# Altium PCB GL3520 4 Ports.PcbDoc
Units mm, origin at the board's own origin, x right, y up, seen from the top; angles counter-clockwise.
Board outline 152.4 x 101.6 mm, 2 copper layers (Top Layer, Bottom Layer), stack 1.569 mm thick; 127 components, 95 nets, 480 pads, 25 vias.
Unrouted connection lines stored in the file: 359.
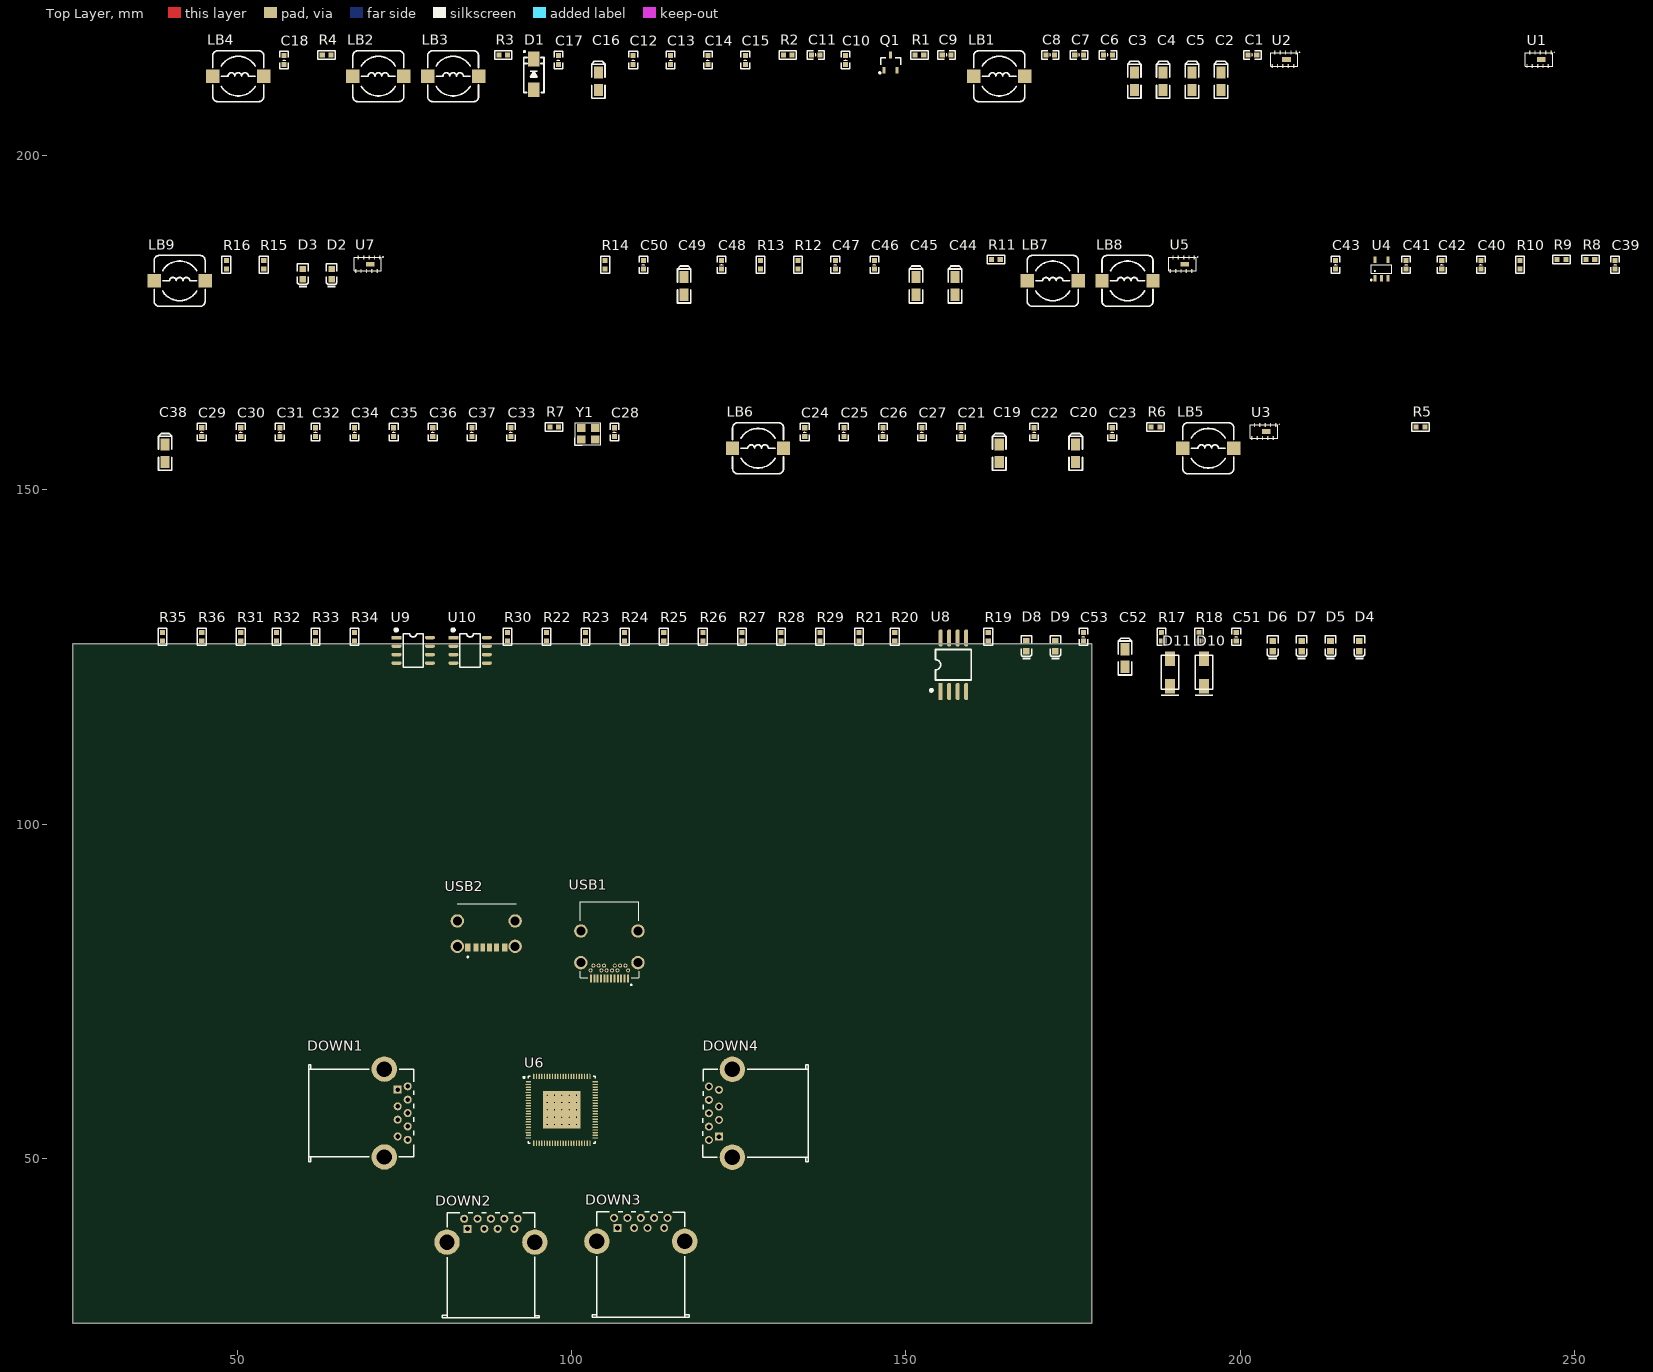
[diagram p0: Top Layer view]
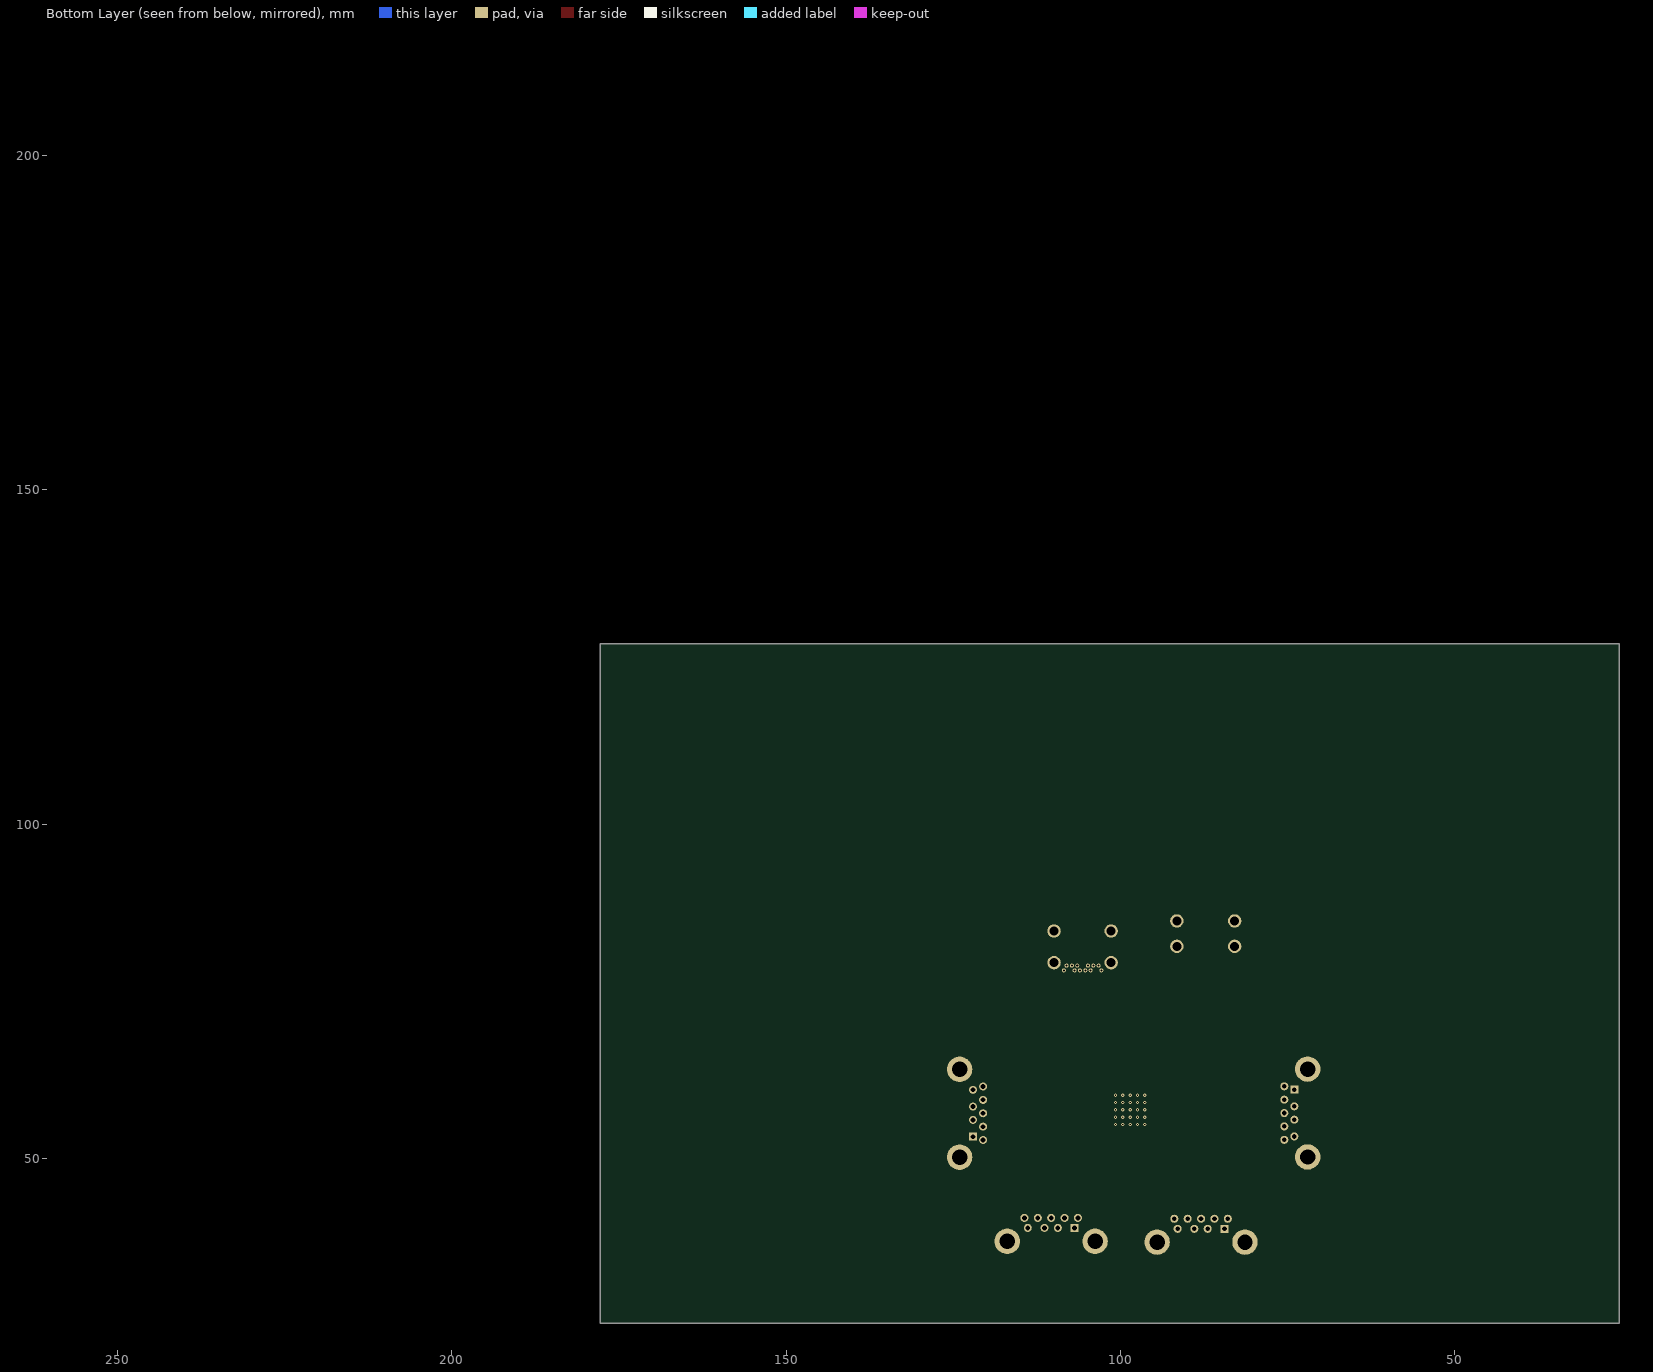
[diagram p1: Bottom Layer view, seen from below]

## Layer stack, top to bottom
Top Solder: solder mask 0.0254, SM-001, Dk 4
Top Layer: signal copper 0.035
Dielectric 1: core 1.4986, Core-043, Dk 4.3
Bottom Layer: signal copper 0.035
Bottom Solder: solder mask 0.0254, SM-001, Dk 4

## Board outline
25.4,25.4 177.8,25.4 177.8,127 25.4,127

## Design rules (kind name [scope] priority, off if disabled: settings)
Clearance [All] p1: gap=0.152 ignorepadtopadclearanceinfootprint=FALSE
PolygonConnect [All] p1: connectstyle=Relief reliefconductorwidth=0.254 reliefentries=4 polygonreliefangle="90 Angle" airgapwidth=0.254
RoutingVias [All] p1: holewidth=0.711 width=1.27 viastyle="Through Hole" minholewidth=0.711 minwidth=1.27 maxholewidth=0.711 maxwidth=1.27
SolderMaskExpansion [All] p1: expansion=0.102 istentingtop=FALSE
Width [All] p1: maxlimit=0.254 minlimit=0.254 preferedwidth=0.254
30 further rules are at their usual default settings.

## Components (designator, comment, footprint, x,y, rotation, side; value= is the part's Value field where it differs from the comment)
C1 "0.1uF" "C 0603_L" 201.803,215.011 r0 top
C2 "10uF" CASE-A_3216 197.104,211.074 r90 top
C3 "10uF" CASE-A_3216 184.15,211.074 r90 top
C4 "10uF" CASE-A_3216 188.468,211.074 r90 top
C5 "10uF" CASE-A_3216 192.786,211.074 r90 top
C6 "0.1uF" "C 0603_L" 180.213,215.011 r0 top
C7 "0.1uF" "C 0603_L" 175.895,215.011 r0 top
C8 "0.1uF" "C 0603_L" 171.577,215.011 r0 top
C9 "0.1uF" "C 0603_L" 156.083,215.011 r0 top
C10 "0.1uF" "C 0603_L" 140.97,214.249 r90 top
C11 "0.1uF" "C 0603_L" 136.525,215.011 r0 top
C12 "0.1uF" "C 0603_L" 109.22,214.249 r90 top
C13 "0.1uF" "C 0603_L" 114.808,214.249 r90 top
C14 "0.1uF" "C 0603_L" 120.396,214.249 r90 top
C15 "0.1uF" "C 0603_L" 125.984,214.249 r90 top
C16 "10uF" CASE-A_3216 104.013,211.074 r90 top
C17 "0.1uF" "C 0603_L" 98.044,214.249 r90 top
C18 "0.1uF" "C 0603_L" 57.023,214.249 r90 top
C19 "10uF" CASE-A_3216 163.957,155.448 r90 top
C20 "10uF" CASE-A_3216 175.387,155.448 r90 top
C21 "0.1uF" "C 0603_L" 158.242,158.623 r90 top
C22 "0.1uF" "C 0603_L" 169.164,158.623 r90 top
C23 "0.1uF" "C 0603_L" 180.848,158.623 r90 top
C24 "0.1uF" "C 0603_L" 134.874,158.623 r90 top
C25 "0.1uF" "C 0603_L" 140.716,158.623 r90 top
C26 "0.1uF" "C 0603_L" 146.558,158.623 r90 top
C27 "0.1uF" "C 0603_L" 152.4,158.623 r90 top
C28 "0.1uF" "C 0603_L" 106.426,158.623 r90 top
C29 "0.1uF" "C 0603_L" 44.704,158.623 r90 top
C30 "0.1uF" "C 0603_L" 50.546,158.623 r90 top
C31 "0.1uF" "C 0603_L" 56.388,158.623 r90 top
C32 "0.1uF" "C 0603_L" 61.722,158.623 r90 top
C33 "0.1uF" "C 0603_L" 90.932,158.623 r90 top
C34 "0.1uF" "C 0603_L" 67.564,158.623 r90 top
C35 "0.1uF" "C 0603_L" 73.406,158.623 r90 top
C36 "0.1uF" "C 0603_L" 79.248,158.623 r90 top
C37 "0.1uF" "C 0603_L" 85.09,158.623 r90 top
C38 "10uF" CASE-A_3216 39.243,155.448 r90 top
C39 "0.1uF" "C 0603_L" 256.032,183.642 r90 top
C40 "1uF" "C 0603_L" 235.966,183.642 r90 top
C41 "12pF" "C 0603_L" 224.79,183.642 r90 top
C42 "12pF" "C 0603_L" 230.124,183.642 r90 top
C43 "0.1uF" "C 0603_L" 214.249,183.642 r90 top
C44 "10uF" CASE-A_3216 157.353,180.467 r90 top
C45 "10uF" CASE-A_3216 151.511,180.467 r90 top
C46 "20pF" "C 0603_L" 145.288,183.642 r90 top
C47 "0.1uF" "C 0603_L" 139.446,183.642 r90 top
C48 "0.1uF" "C 0603_L" 122.428,183.642 r90 top
C49 "10uF" CASE-A_3216 116.84,180.467 r90 top
C50 "0.1uF" "C 0603_L" 110.744,183.642 r90 top
C51 "0.1uF" "C 0603_L" 199.39,128.016 r90 top
C52 "10uF" CASE-A_3216 182.753,124.841 r90 top
C53 "0.1uF" "C 0603_L" 176.53,128.016 r90 top
D1 "1N5822" SMA 94.361,212.09 r90 top
D2 "蓝灯 0603" 0603_LED_S1 64.135,182.245 r90 top
D3 "蓝灯 0603" 0603_LED_S1 59.817,182.245 r90 top
D4 "黄灯 0603" 0603_LED_S1 217.805,126.619 r90 top
D5 "黄灯 0603" 0603_LED_S1 213.487,126.619 r90 top
D6 "蓝灯 0603" 0603_LED_S1 204.851,126.619 r90 top
D7 "蓝灯 0603" 0603_LED_S1 209.169,126.619 r90 top
D8 "黄灯 0603" 0603_LED_S1 168.021,126.619 r90 top
D9 "黄灯 0603" 0603_LED_S1 172.339,126.619 r90 top
D10 "SMAJ18A" DIO-214AC 194.564,122.682 r90 top
D11 "SMAJ18A" DIO-214AC 189.484,122.682 r90 top
DOWN1 "USB3-A Device" "USB3.0-2 - duplicate" 73.759,56.803 r270 top
DOWN2 "USB3-A Device" "USB3.0-2 - duplicate" 87.955,39.247 r0 top
DOWN3 "USB3-A Device" "USB3.0-2 - duplicate" 110.363,39.37 r0 top
DOWN4 "USB3-A Device" "USB3.0-2 - duplicate" 122.301,56.769 r90 top
LB1 "10uH" CDRH74 163.957,211.836 r0 top
LB2 "10uH" CDRH74 71.12,211.836 r0 top
LB3 "10uH" CDRH74 82.296,211.836 r0 top
LB4 "10uH" CDRH74 50.165,211.836 r0 top
LB5 "10uH" CDRH74 195.199,156.21 r0 top
LB6 "10uH" CDRH74 127.889,156.21 r0 top
LB7 "10uH" CDRH74 171.958,181.229 r0 top
LB8 "10uH" CDRH74 183.134,181.229 r0 top
LB9 "10uH" CDRH74 41.402,181.229 r0 top
Q1 "AO3401A" SOT23-3L 147.701,213.868 r0 top
R1 "10K" "R 0603_L" 152.019,215.011 r0 top
R2 "10K" "R 0603_L" 132.334,215.011 r0 top
R3 "10K" "R 0603_L" 89.789,215.011 r0 top
R4 "1M" "R 0603_L" 63.373,215.011 r0 top
R5 "10K" "R 0603_L" 226.949,159.385 r0 top
R6 "1M" "R 0603_L" 187.325,159.385 r0 top
R7 "10K" "R 0603_L" 97.409,159.385 r0 top
R8 "1M" "R 0603_L" 252.349,184.404 r0 top
R9 "1M" "R 0603_L" 248.031,184.404 r0 top
R10 "47K" "R 0603_L" 241.808,183.642 r90 top
R11 "100K" "R 0603_L" 163.449,184.404 r0 top
R12 "1M" "R 0603_L" 133.858,183.642 r90 top
R13 "100K" "R 0603_L" 128.27,183.642 r90 top
R14 "1M" "R 0603_L" 105.029,183.642 r90 top
R15 "2K" "R 0603_L" 53.975,183.642 r90 top
R16 "2K" "R 0603_L" 48.387,183.642 r90 top
R17 "2K" "R 0603_L" 188.214,128.016 r90 top
R18 "2K" "R 0603_L" 193.802,128.016 r90 top
R19 "1M" "R 0603_L" 162.306,128.016 r90 top
R20 "10K" "R 0603_L" 148.336,128.016 r90 top
R21 "10K" "R 0603_L" 143.002,128.016 r90 top
R22 "100K" "R 0603_L" 96.266,128.016 r90 top
R23 "10K" "R 0603_L" 102.108,128.016 r90 top
R24 "10K" "R 0603_L" 107.95,128.016 r90 top
R25 "100K" "R 0603_L" 113.792,128.016 r90 top
R26 "100K" "R 0603_L" 119.634,128.016 r90 top
R27 "10K" "R 0603_L" 125.476,128.016 r90 top
R28 "10K" "R 0603_L" 131.318,128.016 r90 top
R29 "100K" "R 0603_L" 137.16,128.016 r90 top
R30 "10K" "R 0603_L" 90.424,128.016 r90 top
R31 "100K" "R 0603_L" 50.546,128.016 r90 top
R32 "100K" "R 0603_L" 55.88,128.016 r90 top
R33 "100K" "R 0603_L" 61.722,128.016 r90 top
R34 "100K" "R 0603_L" 67.564,128.016 r90 top
R35 "100K" "R 0603_L" 38.862,128.016 r90 top
R36 "680R" "R 0603_L" 44.704,128.016 r90 top
U1 "AZ1065-06F" DFN4120P10E 242.697,215.011 r0 top
U2 "AZ1065-06F" DFN4120P10E 204.597,215.011 r0 top
U3 "AZ1065-06F" DFN4120P10E 201.549,159.385 r0 top
U4 "AUR9713" SOT23-5L 221.107,183.007 r0 top
U5 "AZ1065-06F" DFN4120P10E 189.357,184.404 r0 top
U6 "GL3520_QFN88_V094-1_22" QFN88 98.552,57.277 r0 top
U7 "AZ1065-06F" DFN4120P10E 67.564,184.404 r0 top
U8 "PM25LD512" SOP8W_M 157.099,123.825 r90 top
U9 "AIC1519N-0" SOP8_L 76.327,125.984 r0 top
U10 "AIC1519N-0" SOP8_L 84.836,125.984 r0 top
USB1 "Type-C" "USB_TYPE_C_24P - duplicate" 105.664,82.169 r180 top
USB2 "TYPE-C-6P" USB_TYPE_C_6P 87.249,84.074 r180 top
Y1 "25MHZ" "OSC 3225-4P" 102.489,158.369 r0 top

## Footprints (in the part's own frame and the unit in brackets; to place one, negate y for a bottom-side part, rotate by r counter-clockwise, add the part's x,y. Pads: shape width x height; smd on the part's side, far side on the other; paste and mask are expansions set on the pad)
0603_LED_S1 [mm]
  rect 0.93x0.98 smd: A(0.77,0) K(-0.77,0)
  silkscreen extent -1.98,-0.79 1.54,0.79, body extent -0.8,-0.4 0.8,0.4, height 0.6
"C 0603_L" [mil] "无极性贴片电容"
  rect 30x30 smd: 1(-25.59,0) 2(25.59,0)
  silkscreen extent -51,-26 51,26, body extent -31,-16 31,16, height 32
CASE-A_3216 [mm]
  rect 1.8x1.35 smd: 1(1.31,0) 2(-1.31,0)
  silkscreen extent -2.54,-1 2.97,1, body extent -1.7,-0.84 1.7,0.84, height 1.71
CDRH74 [mm] "7.3*7.3*4.5mm（长宽高）"
  rect 2x2 smd: 1(-3.81,0) 2(3.81,0)
  silkscreen extent -3.81,-3.81 3.81,3.81, body extent -3.65,-3.65 3.65,3.65, height 4.5
DFN4120P10E [mm]
  rect 0.2x0.6 smd: 1(3.77,0.33) 2(2.97,0.33) 3(2.17,0.33) 4(1.37,0.33) 5(0.57,0.33) 6(0.17,-1.67) 7(0.97,-1.67) 8(1.77,-1.67) 9(2.57,-1.67) 10(3.37,-1.67)
  rect 1.3x0.7 smd: 11(2.32,-0.67)
  silkscreen extent -0.08,-1.67 4.26,0.42, body extent -0.07,-1.67 4.03,0.32, height 0.25
DIO-214AC [mm]
  rect 2.2x1.55 smd: 1(2.05,0) 2(-2.05,0)
  silkscreen extent -3.43,-1.31 2.54,1.29, body extent -2.54,-1.29 2.54,1.29, height 2.45
"OSC 3225-4P" [mm] "3.2*2.5*0.7mm(长宽高)"
  rect 1.3x1.2 smd: 1(-1.05,-0.85) 2(1.05,-0.85) 3(1.05,0.85) 4(-1.05,0.85)
  silkscreen extent -2.03,-1.75 1.91,1.65, body extent -1.6,-1.25 1.6,1.25, height 0.7
QFN88 [mm] "PQFN, 88-Leads, Body 10.00x10.00mm, Pitch 0.40mm, Thermal Pad 5.60x5.60mm, IPC Medium Density"
  oval 0.8x0.2 smd: 1(-5,4.2) 2(-5,3.8) 3(-5,3.4) 4(-5,3) 5(-5,2.6) 6(-5,2.2) 7(-5,1.8) 8(-5,1.4) 9(-5,1) 10(-5,0.6) 11(-5,0.2) 12(-5,-0.2) 13(-5,-0.6) 14(-5,-1) 15(-5,-1.4) 16(-5,-1.8) 17(-5,-2.2) 18(-5,-2.6) 19(-5,-3) 20(-5,-3.4) 21(-5,-3.8) 22(-5,-4.2) 45(5,-4.2) 46(5,-3.8) 47(5,-3.4) 48(5,-3) 49(5,-2.6) 50(5,-2.2) 51(5,-1.8) 52(5,-1.4) 53(5,-1) 54(5,-0.6) 55(5,-0.2) 56(5,0.2) 57(5,0.6) 58(5,1) 59(5,1.4) 60(5,1.8) 61(5,2.2) 62(5,2.6) 63(5,3) 64(5,3.4) 65(5,3.8) 66(5,4.2)
  oval 0.2x0.8 smd: 23(-4.2,-5) 24(-3.8,-5) 25(-3.4,-5) 26(-3,-5) 27(-2.6,-5) 28(-2.2,-5) 29(-1.8,-5) 30(-1.4,-5) 31(-1,-5) 32(-0.6,-5) 33(-0.2,-5) 34(0.2,-5) 35(0.6,-5) 36(1,-5) 37(1.4,-5) 38(1.8,-5) 39(2.2,-5) 40(2.6,-5) 41(3,-5) 42(3.4,-5) 43(3.8,-5) 44(4.2,-5) 67(4.2,5) 68(3.8,5) 69(3.4,5) 70(3,5) 71(2.6,5) 72(2.2,5) 73(1.8,5) 74(1.4,5) 75(1,5) 76(0.6,5) 77(0.2,5) 78(-0.2,5) 79(-0.6,5) 80(-1,5) 81(-1.4,5) 82(-1.8,5) 83(-2.2,5) 84(-2.6,5) 85(-3,5) 86(-3.4,5) 87(-3.8,5) 88(-4.2,5)
  rect 5.6x5.6 smd: G1(0,0)
  silkscreen extent -5.77,-5 5,5, body extent -5,-5 5,5, height 1
"R 0603_L" [mil] "1/10W贴片电阻"
  rect 30x30 smd: 1(-25.59,0) 2(25.59,0)
  silkscreen extent -51,-26 51,26, body extent -31,-16 32,16, height 16
SMA [mm] "4.5x2.6*2.2mm（长宽高，不包括引脚）"
  rect 2.2x1.75 smd: 1(-2.3,0) 2(2.3,0)
  silkscreen extent -2.7,-1.52 3.56,1.52, body extent -2.53,-1.3 2.58,1.3, height 2.15
SOP8_L [mm] "5*6*1.8mm（长宽高）"
  rect 1.5x0.5 smd: 1(-2.5,1.905)
  oval 1.5x0.5 smd: 2(-2.5,0.635) 3(-2.5,-0.635) 4(-2.5,-1.905) 5(2.5,-1.905) 6(2.5,-0.635) 7(2.5,0.635) 8(2.5,1.905)
  silkscreen extent -2.69,-2.5 1.52,3.2, body extent -3,-2.5 3,2.5, height 1.9
SOP8W_M [mm] "5.3*8.3*1.8mm（长宽高）"
  rect 2.6x0.6 smd: 1(-4,1.905)
  oval 2.6x0.6 smd: 2(-4,0.635) 3(-4,-0.635) 4(-4,-1.905) 5(4,-1.905) 6(4,-0.635) 7(4,0.635) 8(4,1.905)
  silkscreen extent -3.94,-2.67 2.29,3.43, body extent -3.94,-2.64 3.94,2.64, height 1.9
SOT23-3L [mm] "3x1.3x1mm(长宽高)"
  rect 0.45x1 smd: 1(-0.95,-1.143) 2(0.95,-1.143) 3(0,1.125)
  silkscreen extent -1.72,-1.65 1.5,0.7, body extent -1.5,-1.2 1.5,1.2, height 1.05
SOT23-5L [mm] "3x1.6x1.1mm(长宽高)"
  rect 0.45x1 smd: 1(-0.95,-1.4) 2(0,-1.4) 3(0.95,-1.4) 4(0.95,1.4) 5(-0.95,1.4)
  silkscreen extent -1.6,-1.73 1.5,0.66, body extent -1.5,-1.4 1.5,1.4, height 1.15
"USB3.0-2 - duplicate" [mm] "Connector; USB1.1, Type A, Thru-Hole; 4 Position; Right Angle"
  rect 1.2x1.2 hole 0.7: 1(-3.5,0.25)
  round 1.2 hole 0.7: 2(-1,0.25) 3(1,0.25) 4(3.5,0.25) 5(4,1.75) 6(2,1.75) 7(0,1.75) 8(-2,1.75) 9(-4,1.75)
  round 3.8 hole 2.3: G1(-6.57,-1.75) G2(6.57,-1.75)
  silkscreen extent -7.25,-13.07 7.25,2.67, body extent -7.83,-13.54 7.87,2.96, height 7.77
USB_TYPE_C_6P [mm]
  rect 0.7x1.2 smd: A5(-0.5,2.5) B5(0.5,2.5)
  rect 0.76x1.2 smd: A9(1.52,2.5) B9(-1.52,2.5)
  rect 0.8x1.2 smd: A12(2.75,2.5) B12(-2.75,2.5)
  round 2 hole 1.346: MH1(-4.32,-1.45) MH2(4.32,-1.45) MH3(4.32,2.35) MH4(-4.32,2.35)
  silkscreen extent -4.47,-4.05 4.32,4.05, body extent -4.89,-4.05 4.89,3.03, height 3.36
"USB_TYPE_C_24P - duplicate" [mm]
  round 2.01 hole 1.34: 1(-4.27,2.88) 2(4.27,2.88) 3(4.27,-1.85) 4(-4.27,-1.85)
  rect 0.3x1.2 smd: A1(-2.75,5.28) A2(-2.25,5.28) A3(-1.75,5.28) A4(-1.25,5.28) A5(-0.75,5.28) A6(-0.25,5.28) A7(0.25,5.28) A8(0.75,5.28) A9(1.25,5.28) A10(1.75,5.28) A11(2.25,5.28) A12(2.75,5.28)
  round 0.6 hole 0.3: B1(2.8,4.03) B2(2.4,3.33) B3(1.6,3.33) B4(1.2,4.03) B5(0.8,3.33) B6(0.4,4.03) B7(-0.4,4.03) B8(-0.8,3.33) B9(-1.2,4.03) B10(-1.6,3.33) B11(-2.4,3.33) B12(-2.8,4.03)
  silkscreen extent -4.37,-6.25 4.37,6.25

## Part data
C1 C6 C7 C8 C9 C10 C11 C12 C13 C14 C15 C17 C18 C21 C22 C23 C24 C25 C26 C27 C28 C29 C30 C31 C32 C33 C34 C35 C36 C37 C39 C40 C41 C42 C43 C46 C47 C48 C50 C51 C53: library part "0603 2.2uF (225) 10% 16V", "贴片电容", Package=0603, SuppliersPartNumber=C23630, ComponentLink1Description=供应商链接, ComponentLink1URL=http://www.szlcsc.com/product/details_24366.html, Supplier=LC
C2 C3 C19 C20: library part "3216 10uF (106) 10% 16V", "钽电容1206", Package=3216, SuppliersPartNumber=C7171, ComponentLink1Description=供应商链接, ComponentLink1URL=http://www.szlcsc.com/product/details_7643.html, Supplier=LC
C4 C5 C16 C38 C44 C45 C49 C52: library part "3216 10uF (106) 10% 16V", "钽电容", Package=3216, SuppliersPartNumber=C7171, ComponentLink1Description=供应商链接, ComponentLink1URL=http://www.szlcsc.com/product/details_7643.html, Supplier=LC
D1 D10 D11: library part "Diode 1N5400", "3 Amp General Purpose Rectifier", ComponentLink1Description="Manufacturer Link", ComponentLink1URL=http://www.fairchildsemi.com/, ComponentLink2Description=Datasheet, ComponentLink2URL=http://www.fairchildsemi.com/ds/1N%2F1N5400.pdf, DatasheetVersion=1998, LatestRevisionDate=17-Jul-2002, LatestRevisionNote="Re-released for DXP Platform.", PackageDescription="Diode, Axial; Body 9.5 x 5.6 mm (LxDia. max), Lead Dia. 1.32 mm (max)", PackageReference=DO-201AD, PackageVersion=Aug-1999, Published=8-Jun-2000, Publisher="Altium Limited"
D2 D3 D6 D7: library part "0603 蓝灯", "发光二极管", Package=0603, SuppliersPartNumber=C72041, ComponentLink1Description=供应商链接, ComponentLink1URL=http://www.szlcsc.com/product/details_73150.html, Supplier=LC
D4 D5 D8 D9: library part "0603 黄灯", "发光二极管", Package=0603, SuppliersPartNumber=C72038, ComponentLink1Description=供应商链接, ComponentLink1URL=http://www.szlcsc.com/product/details_73147.html, Supplier=LC
DOWN1 DOWN2 DOWN3 DOWN4: library part USB3-A_5, PCB Footprint=CND-USB3A-A
LB1 LB2 LB3 LB4 LB5 LB6 LB7 LB8 LB9: library part L-0603, PCB Footprint=LBS-0603
Q1: library part CMP-2000-05778-1, "P-Channel MOSFET, 30 V, 4 A, -55 to 150 degC, 3-Pin SOT-23-3L, RoHS, Tape and Reel", Continuous Drain Current=4A, Drain-Source On-Volt=30V, Frequency (Max)=NotRequiredMHz, Gate-Source Voltage (Max)=?12V, Manufacturer="Alpha and Omega", Operating Temp Range=-55Cto150C, Operating Temperature Classification=Military, Output Power (Max)=NotRequiredW, Package Description="3-Pin Small Outline Transistor, Body 2.95 x 1.6 mm, Pitch 0.95 mm", Package Reference=SOT-23-3L, Package Type=SOT-23, Power Dissipation=1.4W, Power Gain=NotRequireddB, Channel Mode=Enhancement, Datasheet URL=http://www.aosmd.com/res/data_sheets/AO3401A.pdf, Datasheet Version="Rev. 3, 03/2011", Drain Current (Max)=4A, Drain Efficiency=NotRequired%, Drain-Source On-Res=0.044ohm, Manufacturer URL=http://www.aosmd.com/, Mounting=SurfaceMount, Mounting Technology=SurfaceMount, Noise Figure=NotRequireddB, Number of  Elements=1, Package URL=http://www.aosmd.com/res/packaging_information/SOT-23-3L.pdf, Pin Count=3, Polarity=P, Rad Hardened=No, Type=PowerMOSFET
R1 R2 R3 R4 R5 R6 R7 R8 R9 R10 R11 R12 R13 R14 R15 R16 R17 R18 R19 R20 R21 R22 R23 R24 R25 R26 R27 R28 R29 R30 R31 R32 R33 R34 R35 R36: library part RES
U1 U2 U3 U5 U7: "晶炎AZ1065-06F.R7G DFN4120 丝印119 ESD/TVS静电保护二极管"
U4: library part AUR9705_3, PCB Footprint=I-TSOT23-5P-2_9x1_6x0_95A
U8: library part CAT25C128/256, PCB Footprint=I-SOP8-1_27A
U9 U10: library part AIC1526-SOP, PCB Footprint=I-SOP8-1_27A
USB2: library part TYPE-C-31-M-17, "Connector", Manufacturer_Name="Korean Hroparts Elec", Arrow Part Number=TYPE-C-31-M-17, Datasheet Link=https://datasheet.lcsc.com/szlcsc/1903211732_Korean-Hroparts-Elec-TYPE-C-31-M-17_C283540.pdf, HEIGHT=3.26mm, Manufacturer_Part_Number=TYPE-C-31-M-17
Y1: library part "SMD-3225_4P  25MHZ 12PF 10PPM", "贴片晶振", Package=SMD-3225_4P, SuppliersPartNumber=C9006, ComponentLink1Description=供应商链接, ComponentLink1URL=http://www.szlcsc.com/product/details_9526.html, Supplier=LC

## Via types
v1: diameter 0.5, hole 0.2, Top Layer to Bottom Layer, 25 vias

## Nets (pads, with @x,y where several pads share a name; then routed paths per layer and width w, separated by ;. In a path a pad name is that pad's centre, name@x,y a point inside that pad or via, vN(x,y) a via of type N, cw(c..) or ccw(c..) an arc to the next point about the centre after c; other vN are vias at no path point)
CC1: R3.1 USB1.A5
CC2: R5.1 USB1.B5
DP1_DN: DOWN1.2 U2.10 U6.61
DP1_DP: DOWN1.3 U2.1 U6.62
DP1_RXN: DOWN1.5 U2.6 U6.19
DP1_RXP: DOWN1.6 U2.5 U6.20
DP1_TXN: DOWN1.8 U2.7 U6.16
DP1_TXP: DOWN1.9 U2.4 U6.17
DP2_DN: DOWN2.2 U3.10 U6.64
DP2_DP: DOWN2.3 U3.1 U6.65
DP2_RXN: DOWN2.5 U3.6 U6.27
DP2_RXP: DOWN2.6 U3.5 U6.28
DP2_TXN: DOWN2.8 U3.7 U6.24
DP2_TXP: DOWN2.9 U3.4 U6.25
DP3_DN: DOWN3.2 U5.10 U6.68
DP3_DP: DOWN3.3 U5.1 U6.69
DP3_RXN: DOWN3.5 U5.6 U6.34
DP3_RXP: DOWN3.6 U5.5 U6.35
DP3_TXN: DOWN3.8 U5.7 U6.31
DP3_TXP: DOWN3.9 U5.4 U6.32
DP4_DN: DOWN4.2 U6.71 U7.10
DP4_DP: DOWN4.3 U6.72 U7.1
DP4_RXN: DOWN4.5 U6.41 U7.6
DP4_RXP: DOWN4.6 U6.42 U7.5
DP4_TXN: DOWN4.8 U6.38 U7.7
DP4_TXP: DOWN4.9 U6.39 U7.4
GND: C2.2 C3.2 C4.2 C5.2 C6.1 C7.1 C11.1 C12.1 C13.1 C14.1 C15.1 C16.2 C17.1 C18.1 C19.2 C20.2 C21.1 C22.1 C23.1 C24.1 C25.1 C26.1 C27.1 C28.1 C29.1 C30.1 C31.1 C32.1 C33.1 C34.1 C35.1 C36.1 C37.1 C38.2 C39.1 C40.1 C41.1 C42.1 C43.1 C44.2 C45.2 C47.1 C48.1 C49.2 C50.1 C51.1 C52.2 C53.1 D10.1 D11.1 DOWN1.4 DOWN1.7 DOWN2.4 DOWN2.7 DOWN3.4 DOWN3.7 DOWN4.4 DOWN4.7 R1.2 R3.2 R4.2 R5.2 R6.2 R9.2 R10.1 R12.2 R13.2 R14.2 R15.1 R16.1 R17.1 R18.1 R19.2 R30.2 R31.2 R32.2 R33.2 R34.2 R35.2 R36.2 U1.9 U1.11 U2.9 U3.9 U4.2 U5.9 U6.11 U6.18 U6.26 U6.33 U6.40 U6.67 U6.G1 U7.9 U8.4 U9.6 U10.6 USB1.A1 USB1.A12 USB1.B1 USB1.B12 USB2.A12 USB2.B12
  other v1: 96.352,55.077 97.452,55.077 98.552,55.077 99.652,55.077 100.752,55.077 96.352,56.177 97.452,56.177 98.552,56.177 99.652,56.177 100.752,56.177 96.352,57.277 97.452,57.277 98.552,57.277 99.652,57.277 100.752,57.277 96.352,58.377 97.452,58.377 98.552,58.377 99.652,58.377 100.752,58.377 96.352,59.477 97.452,59.477 98.552,59.477 99.652,59.477 100.752,59.477
NetC1_1: C1.1 USB1.A2
NetC8_1: C8.1 USB1.A3
NetC9_2: C9.2 USB1.B3
NetC10_2: C10.2 USB1.B2
NetC46_1: C46.1 R11.2 R13.1 U4.5
NetD2_K: D2.K D4.K R15.2
NetD3_K: D3.K D5.K R16.2
NetD6_K: D6.K D8.K R17.2
NetD7_K: D7.K D9.K R18.2
NetDOWN1_1: DOWN1.1 LB1.2
NetDOWN2_1: DOWN2.1 LB5.2
NetDOWN3_1: DOWN3.1 LB8.2
NetDOWN4_1: DOWN4.1 LB9.2
NetLB7_1: LB7.1 U4.3
NetR20_2: R20.2 R30.1 U8.3
NetR21_1: R21.1 U8.7
OVCUR1#: R23.2 U6.78 U9.2
OVCUR2#: R24.2 U6.45 U9.3
OVCUR3#: R27.2 U6.77 U10.2
OVCUR4#: R28.2 U6.54 U10.3
PAMBER1: D4.A U6.52
PAMBER2: D8.A U6.87
PAMBER3: D5.A U6.56
PAMBER4: D9.A U6.1
PGANG: R35.1 U6.74
PGREEN1: D2.A U6.79
PGREEN2: D6.A U6.84
PGREEN3: D3.A U6.48
PGREEN4: D7.A U6.88
PSELF: Q1.1 U6.82
PWREN1#: R22.2 R31.1 U6.53 U9.1
PWREN2#: R25.2 R32.1 U6.46 U9.4
PWREN3#: R26.2 R33.1 U6.47 U10.1
PWREN4#: R29.2 R34.1 U6.2 U10.4
RESET: C40.2 R7.1 R10.2 U6.83
RTERM: R36.1 U6.3
SHIEL3: C11.2 R4.1
SHIELD1: C18.2 R6.1 USB1.1 USB1.2 USB1.3 USB1.4
SHIELD2: C43.2 R12.1 USB2.MH1 USB2.MH2 USB2.MH3 USB2.MH4
SHIELD3: DOWN1.G1 DOWN1.G2
SHIELD4: C28.2 DOWN2.G1 DOWN2.G2 R9.1
SHIELD5: C48.2 DOWN3.G1 DOWN3.G2 R14.1
SHIELD6: C51.2 DOWN4.G1 DOWN4.G2 R19.1
SPI_CLK: U6.50 U8.6
SPI_CZ: U6.51 U8.1
SPI_DI: U6.81 U8.5
SPI_DO: U6.80 U8.2
UP_DN: U1.4 U6.59 USB1.A7 USB1.B7
UP_DP: U1.7 U6.60 USB1.A6 USB1.B6
UP_RXN: U1.10 U6.12 USB1.A10 USB1.B10
UP_RXP: U1.1 U6.13 USB1.A11 USB1.B11
UP_TXN: C8.2 C9.1 U1.5 U6.9
UP_TXP: C1.2 C10.1 U1.6 U6.10
VAUX: C2.1 C6.2 D1.1 D10.2 LB6.2 R1.1 R2.2
VAUX1: LB6.1 USB2.A9 USB2.B9
VCC: C19.1 C24.2 C44.1 D1.2 Q1.2 R7.2 U1.2 U4.1 U4.4 U6.86 U9.7 U10.7
VD12: C12.2 C13.2 C14.2 C15.2 C45.1 C46.2 C47.2 LB2.1 LB7.2 R11.1 U6.44 U6.49 U6.57 U6.75
VD33: C4.1 C20.1 C25.2 C26.2 C27.2 LB3.1 R20.1 R21.2 R22.1 R23.1 R24.1 R25.1 R26.1 R27.1 R28.1 R29.1 U6.58 U6.73 U6.85 U8.8
VDP1: C16.1 C17.2 LB1.1 U2.2 U9.8
VDP2: C38.1 C39.2 LB5.1 U3.2 U9.5
VDP3: C49.1 C50.2 LB8.1 U5.2 U10.5 U10.8
VDP4: C52.1 C53.2 LB9.1 U7.2
VMAIN: C3.1 C7.2 D11.2 LB4.2 Q1.3 U6.55
VMAIN1: LB4.1 USB1.A4 USB1.A9 USB1.B4 USB1.B9
VP12: C29.2 C30.2 C31.2 C32.2 C33.2 C34.2 C35.2 C36.2 C37.2 LB2.2 U6.14 U6.15 U6.21 U6.23 U6.29 U6.30 U6.36 U6.37 U6.43
VP33: C5.1 C21.2 C22.2 C23.2 LB3.2 U6.63 U6.66 U6.70
X1: C41.2 R8.1 U6.6 Y1.1
X2: C42.2 R8.2 U6.7 Y1.3
pads on no net: R2.1 U1.3 U1.8 U2.3 U2.8 U2.11 U3.3 U3.8 U3.11 U5.3 U5.8 U5.11 U6.4 U6.5 U6.8 U6.22 U6.76 U7.3 U7.8 U7.11 USB1.A8 USB1.B8 USB2.A5 USB2.B5 Y1.2 Y1.4